# Altium PCB DM1098OAKW.PcbDoc (part 4 of 5)
Units mm, origin at the board's own origin, x right, y up, seen from the top; angles counter-clockwise.
Board outline 98.3 x 35 mm, 6 copper layers (Top Copper, Signal Layer 1, Signal Layer 2, Signal Layer 3, Signal Layer 4, Bottom Copper), stack 1.597 mm thick; 204 components, 159 nets, 836 pads, 621 vias.
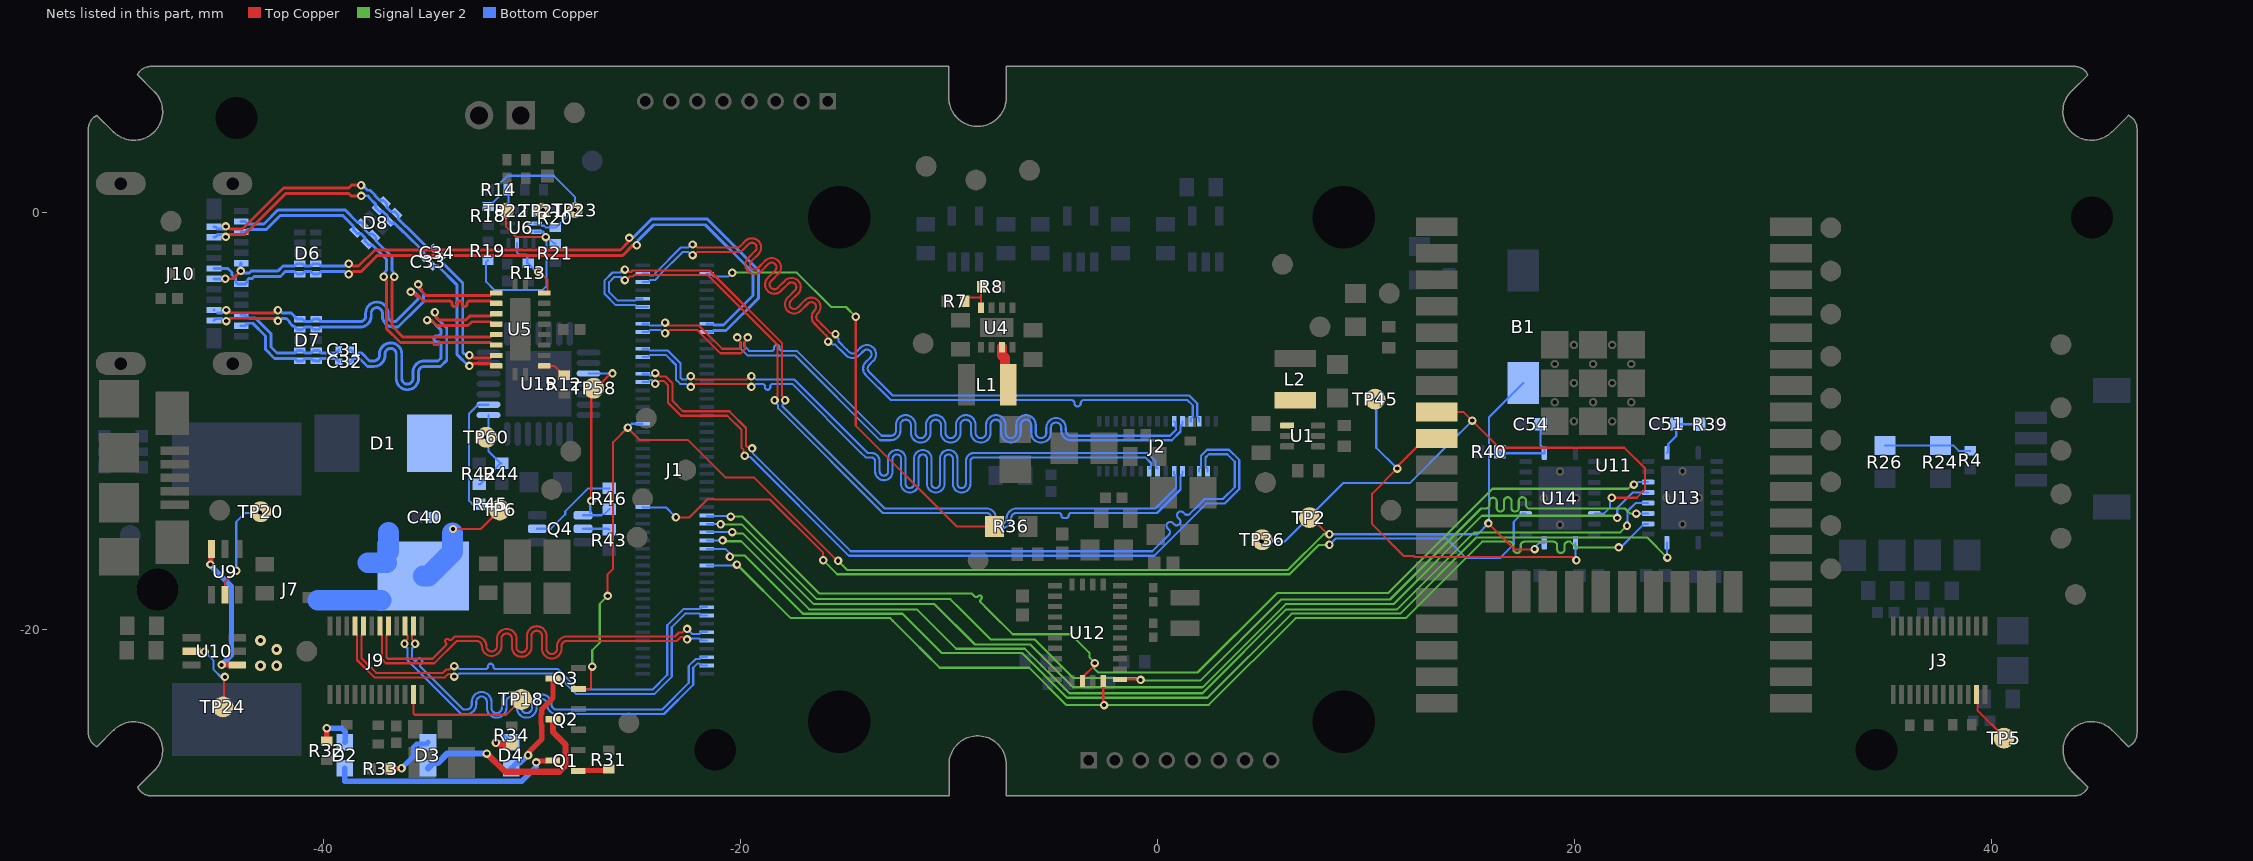
[diagram p8: the nets of this part, all layers, seen from the top]

## Via types
v1: diameter 0.406, hole 0.203, Top Copper to Bottom Copper, tented both sides, 471 vias
v2: diameter 0.508, hole 0.254, Top Copper to Bottom Copper, tented both sides, 132 vias
v3: diameter 0.508, hole 0.254, Top Copper to Bottom Copper, 16 vias
v4: diameter 0.406, hole 0.203, Top Copper to Bottom Copper, tented bottom, 2 vias

## Nets (pads, with @x,y where several pads share a name; then routed paths per layer and width w, separated by ;. In a path a pad name is that pad's centre, name@x,y a point inside that pad or via, vN(x,y) a via of type N, cw(c..) or ccw(c..) an arc to the next point about the centre after c; other vN are vias at no path point) (continued)
MIPI_RX3_C_N: J1.96 J9.11 | length 22.4
  Top Copper w0.102: J9.11@-35.7,-19.86 -35.764,-19.924 -35.764,-20.327 -35.766,-20.329 -35.766,-20.492 -35.621,-20.637 v1(-35.621,-20.704)
  Bottom Copper w0.102: v1(-35.621,-20.704) -35.621,-20.786 -35.766,-20.932 -35.766,-21.345 -35.766,-21.404 -35.677,-21.493 ccw(c-35.605,-21.421) -35.532,-21.493 -35.485,-21.445 cw(c-35.412,-21.518) -35.34,-21.445 -35.304,-21.481 cw(c-35.376,-21.554) -35.304,-21.626 -35.352,-21.674 ccw(c-35.279,-21.746) -35.352,-21.818 -35.135,-22.035 -33.31,-23.86 -33.151,-23.86 ccw(c-33.151,-23.608) -32.898,-23.608 -32.898,-23.489 cw(c-32.429,-23.489) -31.961,-23.489 -31.961,-23.782 ccw(c-31.708,-23.782) -31.455,-23.782 -31.455,-23.489 cw(c-30.986,-23.489) -30.518,-23.489 -30.518,-23.782 ccw(c-30.265,-23.782) -30.012,-23.782 -30.012,-23.605 cw(c-29.543,-23.605) -29.075,-23.605 -29.075,-23.608 ccw(c-28.822,-23.608) -28.822,-23.86 -27.9,-23.86 -23.764,-23.86 -22.488,-22.585 -22.488,-21.766 -22.164,-21.442 -21.972,-21.442 -21.88,-21.35 J1.96@-21.62,-21.35
MIPI_RX3_C_P: J1.98 J9.10 | length 22.4
  Top Copper w0.102: v1(-36.127,-20.704) -36.127,-20.637 -35.982,-20.492 -35.982,-20.323 -36.1,-20.205 J9.10@-36.1,-19.86
  Bottom Copper w0.102: v1(-36.127,-20.704) -36.127,-20.786 -35.982,-20.932 -35.982,-21.493 -33.399,-24.076 -33.31,-24.076 -33.151,-24.076 ccw(c-33.151,-23.608) -32.682,-23.608 -32.682,-23.489 cw(c-32.429,-23.489) -32.176,-23.489 -32.176,-23.782 ccw(c-31.708,-23.782) -31.239,-23.782 -31.239,-23.489 cw(c-30.986,-23.489) -30.733,-23.489 -30.733,-23.782 ccw(c-30.265,-23.782) -29.796,-23.782 -29.796,-23.605 cw(c-29.543,-23.605) -29.29,-23.605 -29.29,-23.608 ccw(c-28.822,-23.608) -28.822,-24.076 -27.9,-24.076 -23.675,-24.076 -22.272,-22.674 -22.272,-21.856 -22.075,-21.658 -21.972,-21.658 -21.88,-21.75 J1.98@-21.62,-21.75
MIPI_RX3_D0_N: J1.90 J9.8 | length 22.4
  Top Copper w0.102: J9.8@-36.9,-19.86 -36.9,-20.205 -36.992,-20.297 -36.992,-21.363 -36.933,-21.423 -34.783,-21.423 -34.28,-20.92 -34.152,-20.792 ccw(c-34.225,-20.719) -34.152,-20.647 ; -34.153,-20.646 cw(c-34.08,-20.573) -34.153,-20.501 cw(c-34.08,-20.573) -34.007,-20.501 ; -34.007,-20.501 ccw(c-33.934,-20.429) -33.861,-20.501 -33.716,-20.355 -33.645,-20.355 -33.2,-20.355 -32.668,-20.355 cw(c-32.668,-20.824) -32.2,-20.824 ccw(c-31.947,-20.824) -31.947,-21.077 ccw(c-31.947,-20.824) -31.694,-20.824 -31.694,-20.463 cw(c-31.225,-20.463) -31.225,-19.995 cw(c-31.225,-20.463) -30.757,-20.463 -30.757,-20.863 ccw(c-30.504,-20.863) -30.504,-21.116 ccw(c-30.504,-20.863) -30.251,-20.863 -30.251,-20.333 cw(c-29.782,-20.333) -29.782,-19.864 cw(c-29.782,-20.333) -29.314,-20.333 -29.314,-20.943 ccw(c-29.061,-20.943) -29.061,-21.195 ccw(c-29.061,-20.943) -28.808,-20.943 -28.808,-20.824 cw(c-28.339,-20.824) -28.339,-20.355 -28.181,-20.355 -23.148,-20.355 -22.955,-20.162 -22.806,-20.162 -22.636,-19.992 v1(-22.57,-19.992)
  Bottom Copper w0.102: v1(-22.57,-19.992) -22.561,-19.992 -22.314,-20.239 -22.184,-20.239 -22.181,-20.242 -21.972,-20.242 -21.88,-20.15 J1.90@-21.62,-20.15
MIPI_RX3_D0_P: J1.92 J9.7 | length 22.4
  Top Copper w0.102: J9.7@-37.3,-19.86 -37.3,-20.205 -37.208,-20.297 -37.208,-21.453 -37.022,-21.639 -34.694,-21.639 -33.626,-20.571 -33.2,-20.571 -32.668,-20.571 cw(c-32.668,-20.824) -32.416,-20.824 ccw(c-31.947,-20.824) -31.947,-21.293 ccw(c-31.947,-20.824) -31.478,-20.824 -31.478,-20.463 cw(c-31.225,-20.463) -31.225,-20.211 cw(c-31.225,-20.463) -30.973,-20.463 -30.973,-20.863 ccw(c-30.504,-20.863) -30.504,-21.332 ccw(c-30.504,-20.863) -30.035,-20.863 -30.035,-20.333 cw(c-29.782,-20.333) -29.782,-20.08 cw(c-29.782,-20.333) -29.53,-20.333 -29.53,-20.943 ccw(c-29.061,-20.943) -29.061,-21.411 ccw(c-29.061,-20.943) -28.592,-20.943 -28.592,-20.824 cw(c-28.339,-20.824) -28.339,-20.571 -28.181,-20.571 -23.059,-20.571 -22.866,-20.378 -22.773,-20.378 -22.652,-20.499 v1(-22.57,-20.499)
  Bottom Copper w0.102: v1(-22.57,-20.499) -22.526,-20.455 -22.273,-20.455 -22.271,-20.458 -21.972,-20.458 -21.88,-20.55 J1.92@-21.62,-20.55
MIPI_RX3_D1_N: J1.84 J9.5 | length 22.4
  Top Copper w0.102: J9.5@-38.1,-19.86 -38.1,-20.205 -38.192,-20.297 -38.192,-21.398 -37.486,-22.104 -34.281,-22.104 -34.121,-21.944 -33.972,-21.944 -33.802,-21.774 v1(-33.735,-21.774)
  Bottom Copper w0.102: v1(-33.735,-21.774) -33.653,-21.774 -33.507,-21.919 -32.3,-21.919 -32.249,-21.919 ccw(c-32.249,-21.791) -32.121,-21.791 cw(c-31.994,-21.791) -31.866,-21.791 ccw(c-31.738,-21.791) -31.738,-21.919 -31.3,-21.919 -28.775,-21.919 -27.789,-22.906 -24.231,-22.906 -23.518,-22.193 -23.518,-19.816 -22.745,-19.042 -21.972,-19.042 -21.88,-18.95 J1.84@-21.62,-18.95
MIPI_RX3_D1_P: J1.86 J9.4 | length 22.4
  Top Copper w0.102: J9.4@-38.5,-19.86 -38.5,-20.205 -38.408,-20.297 -38.408,-21.488 -37.576,-22.32 -34.192,-22.32 -34.031,-22.16 -33.938,-22.16 -33.818,-22.28 v1(-33.735,-22.28)
  Bottom Copper w0.102: v1(-33.735,-22.28) -33.653,-22.28 -33.507,-22.135 -28.865,-22.135 -27.879,-23.121 -24.142,-23.121 -23.303,-22.282 -23.303,-19.905 -22.655,-19.258 -21.972,-19.258 -21.88,-19.35 J1.86@-21.62,-19.35
MIPI_RX4_C_N: J1.3 J2.28 | length 39.1
  Top Copper w0.102: v1(-22.304,-1.549) -22.232,-1.549 -22.087,-1.694 -20.394,-1.694 -20.179,-1.694 ccw(c-20.179,-1.466) -20.018,-1.628 ; -20.018,-1.627 -19.772,-1.381 cw(c-19.457,-1.694) -19.144,-1.38 cw(c-19.457,-1.694) -19.144,-2.008 -19.492,-2.356 ccw(c-19.331,-2.517) -19.492,-2.678 ccw(c-19.331,-2.517) -19.17,-2.678 -18.822,-2.331 cw(c-18.508,-2.644) -18.194,-2.33 cw(c-18.508,-2.644) -18.195,-2.958 -18.542,-3.305 ccw(c-18.381,-3.467) -18.543,-3.628 ; -18.542,-3.628 ccw(c-18.381,-3.467) -18.22,-3.628 ; -18.22,-3.628 -17.872,-3.28 cw(c-17.558,-3.593) -17.244,-3.28 cw(c-17.558,-3.593) -17.245,-3.908 -17.592,-4.255 ; -17.593,-4.577 cw(c-17.432,-4.417) -17.593,-4.256 ; -17.592,-4.578 ccw(c-17.432,-4.417) -17.271,-4.578 ; -17.27,-4.577 -16.923,-4.23 cw(c-16.609,-4.543) -16.295,-4.229 cw(c-16.609,-4.543) -16.295,-4.857 -16.305,-4.867 ; -16.306,-5.189 cw(c-16.144,-5.028) -16.305,-4.867 ; -16.305,-5.19 -16.047,-5.447 -16.047,-5.453 -15.9,-5.6 -15.7,-5.8 -15.494,-5.8 v1(-15.447,-5.847)
  Bottom Copper w0.102: J1.3@-24.7,-2.95 -24.44,-2.95 -24.348,-3.042 -24.198,-3.042 -24.077,-2.921 -24.077,-2.897 -22.874,-1.694 -22.516,-1.694 -22.37,-1.549 v1(-22.304,-1.549) ; v1(-15.447,-5.847) -15.447,-5.93 -15.3,-6.077 -15.3,-6.2 -14.9,-6.6 -14.788,-6.712 ; -14.787,-6.713 ccw(c-14.627,-6.551) -14.466,-6.712 -14.257,-6.504 cw(c-13.943,-6.817) -13.629,-6.504 cw(c-13.943,-6.817) -13.63,-7.132 -13.838,-7.339 ccw(c-13.677,-7.501) -13.838,-7.662 -12.707,-8.793 -12.2,-8.793 1.523,-8.793 1.908,-9.177 1.908,-9.806 2,-9.898 J2.28@2,-10.038
MIPI_RX4_C_P: J1.5 J2.27 | length 39
  Top Copper w0.102: v1@-22.232,-2.055 -22.087,-1.91 -20.61,-1.91 -20.179,-1.91 ccw(c-20.179,-1.466) -19.865,-1.78 -19.619,-1.534 ; -19.619,-1.533 cw(c-19.457,-1.694) -19.297,-1.533 ; -19.296,-1.534 cw(c-19.457,-1.694) -19.296,-1.855 -19.644,-2.203 ccw(c-19.331,-2.517) -19.645,-2.831 ccw(c-19.331,-2.517) -19.017,-2.831 -18.669,-2.483 cw(c-18.508,-2.644) -18.347,-2.482 ; -18.347,-2.805 -18.695,-3.153 ccw(c-18.381,-3.467) -18.695,-3.781 ccw(c-18.381,-3.467) -18.067,-3.78 -17.72,-3.433 ; -18.347,-2.805 ccw(c-18.508,-2.644) -18.346,-2.483 ; -17.719,-3.432 cw(c-17.558,-3.593) -17.398,-3.432 ; -17.398,-3.755 -17.745,-4.102 ccw(c-17.432,-4.417) -17.745,-4.73 ccw(c-17.432,-4.417) -17.117,-4.73 -16.77,-4.383 ; -17.397,-3.755 ccw(c-17.558,-3.593) -17.397,-3.433 ; -16.77,-4.382 cw(c-16.609,-4.543) -16.448,-4.382 ; -16.448,-4.705 -16.457,-4.714 ccw(c-16.144,-5.028) -16.457,-5.343 -16.263,-5.537 -16.263,-5.542 -16.053,-5.753 -15.853,-5.953 -15.853,-6.158 v1(-15.805,-6.205) ; -16.447,-4.704 ccw(c-16.609,-4.543) -16.447,-4.383
  Bottom Copper w0.102: J1.5@-24.7,-3.35 -24.44,-3.35 -24.348,-3.258 -24.108,-3.258 -23.85,-3 -23.85,-2.975 -22.785,-1.91 -22.516,-1.91 -22.37,-2.055 v1(-22.304,-2.055) ; v1(-15.805,-6.205) -15.723,-6.205 -15.576,-6.353 -15.453,-6.353 -15.053,-6.753 -14.941,-6.864 ccw(c-14.627,-6.551) -14.312,-6.864 -14.105,-6.657 ; -14.104,-6.656 cw(c-13.943,-6.817) -13.783,-6.656 ; -13.782,-6.657 cw(c-13.943,-6.817) -13.782,-6.978 -13.99,-7.187 ccw(c-13.677,-7.501) -13.99,-7.815 -12.797,-9.009 -12.416,-9.009 -4.496,-9.009 -4.139,-9.009 cw(c-4.139,-9.161) -3.986,-9.161 -3.986,-9.166 ccw(c-3.834,-9.166) -3.834,-9.319 ccw(c-3.834,-9.166) -3.681,-9.166 -3.681,-9.161 cw(c-3.528,-9.161) -3.528,-9.009 -1.9,-9.009 1.434,-9.009 1.692,-9.267 1.692,-9.806 1.6,-9.898 J2.27@1.6,-10.038
MIPI_RX4_D0_N: J1.9 J2.5 | length 39.1
  Top Copper w0.102: v1(-25.553,-3.257) -25.487,-3.257 -25.317,-3.087 -25.168,-3.087 -25.097,-3.016 -21.584,-3.016 -18.227,-6.373 -18.227,-8.815 -18.372,-8.96 v1(-18.372,-9.027)
  Bottom Copper w0.102: v1(-25.553,-3.257) -25.62,-3.257 -25.765,-3.112 -26.061,-3.112 -26.311,-3.362 -26.311,-3.834 -25.903,-4.242 -25.052,-4.242 -24.96,-4.15 J1.9@-24.7,-4.15 ; v1(-18.372,-9.027) -18.372,-9.094 -18.202,-9.264 -18.202,-9.412 -13.18,-14.434 -9,-14.434 -8.211,-14.434 cw(c-8.211,-14.687) -7.958,-14.687 -7.958,-14.694 ccw(c-7.489,-14.694) -7.489,-15.163 ccw(c-7.489,-14.694) -7.021,-14.694 -7.021,-14.687 cw(c-6.768,-14.687) -6.768,-14.434 -6.609,-14.434 -5.7,-14.434 -4.72,-14.434 cw(c-4.72,-14.541) -4.613,-14.541 -4.613,-14.561 ccw(c-4.506,-14.561) -4.506,-14.667 -4.364,-14.667 ccw(c-4.364,-14.561) -4.257,-14.561 -4.257,-14.541 cw(c-4.151,-14.541) -4.151,-14.434 -4.1,-14.434 -0.02,-14.434 1.108,-13.306 1.108,-12.67 1.2,-12.578 J2.5@1.2,-12.438
MIPI_RX4_D0_P: J1.11 J2.6 | length 39.4
  Top Copper w0.102: v1(-25.553,-2.751) -25.471,-2.751 -25.35,-2.871 -25.257,-2.871 -25.186,-2.8 -21.495,-2.8 -18.011,-6.284 -18.011,-8.815 -17.866,-8.96 v1(-17.866,-9.027)
  Bottom Copper w0.102: v1(-25.553,-2.751) -25.62,-2.751 -25.765,-2.896 -26.151,-2.896 -26.527,-3.272 -26.527,-3.923 -25.993,-4.458 -25.052,-4.458 -24.96,-4.55 J1.11@-24.7,-4.55 J1.11@-24.44,-4.55 ; v1(-17.866,-9.027) -17.866,-9.109 -17.986,-9.23 -17.986,-9.323 -13.091,-14.218 -9,-14.218 -8.211,-14.218 cw(c-8.211,-14.687) -7.742,-14.687 -7.742,-14.694 ccw(c-7.489,-14.694) -7.489,-14.947 ccw(c-7.489,-14.694) -7.237,-14.694 -7.237,-14.687 cw(c-6.768,-14.687) -6.768,-14.218 -6.609,-14.218 -0.11,-14.218 0.892,-13.216 0.892,-12.67 0.8,-12.578 J2.6@0.8,-12.438
MIPI_RX4_D1_N: J1.15 J2.26 | length 39.1
  Top Copper w0.102: v1(-23.626,-5.297) -23.559,-5.297 -23.414,-5.442 -21.994,-5.442 -20.884,-6.552 -20.083,-6.552 -20.017,-6.487 -20.017,-6.22 -20.163,-6.074 v1(-20.163,-6.008)
  Bottom Copper w0.102: J1.15@-24.7,-5.35 -24.44,-5.35 -24.348,-5.442 -23.838,-5.442 -23.693,-5.297 v1(-23.626,-5.297) ; v1(-20.163,-6.008) -20.163,-6.074 -20.017,-6.22 -20.017,-6.53 -19.677,-6.87 -17.392,-6.87 -13.32,-10.942 -12.961,-10.942 -12.803,-10.942 ccw(c-12.803,-10.473) -12.334,-10.473 -12.334,-10.207 cw(c-12.081,-10.207) -12.081,-9.954 cw(c-12.081,-10.207) -11.828,-10.207 -11.828,-10.585 ccw(c-11.36,-10.585) -11.36,-11.054 ccw(c-11.36,-10.585) -10.891,-10.585 -10.891,-10.207 cw(c-10.638,-10.207) -10.638,-9.954 cw(c-10.638,-10.207) -10.385,-10.207 -10.385,-10.585 ccw(c-9.917,-10.585) -9.917,-11.054 ccw(c-9.917,-10.585) -9.448,-10.585 -9.448,-10.207 cw(c-9.195,-10.207) -9.195,-9.954 cw(c-9.195,-10.207) -8.942,-10.207 -8.942,-10.585 ccw(c-8.474,-10.585) -8.474,-11.054 ccw(c-8.474,-10.585) -8.005,-10.585 -8.005,-10.207 cw(c-7.752,-10.207) -7.752,-9.954 cw(c-7.752,-10.207) -7.499,-10.207 -7.499,-10.585 ccw(c-7.031,-10.585) -7.031,-11.054 ccw(c-7.031,-10.585) -6.562,-10.585 -6.562,-10.207 cw(c-6.309,-10.207) -6.309,-9.954 cw(c-6.309,-10.207) -6.056,-10.207 -6.056,-10.585 ccw(c-5.588,-10.585) -5.588,-11.054 ccw(c-5.588,-10.585) -5.119,-10.585 -5.119,-10.345 cw(c-4.866,-10.345) -4.866,-10.093 cw(c-4.866,-10.345) -4.613,-10.345 -4.613,-10.473 ccw(c-4.145,-10.473) -4.145,-10.942 -3.461,-10.942 0.689,-10.942 1.108,-10.523 1.108,-10.27 1.2,-10.178 J2.26@1.2,-10.038
MIPI_RX4_D1_P: J1.17 J2.25 | length 39.1
  Top Copper w0.102: v1(-23.626,-5.803) -23.559,-5.803 -23.414,-5.658 -22.084,-5.658 -20.974,-6.768 -19.993,-6.768 -19.801,-6.576 -19.801,-6.22 -19.656,-6.074 v1(-19.656,-6.008)
  Bottom Copper w0.102: J1.17@-24.7,-5.75 -24.44,-5.75 -24.348,-5.658 -23.838,-5.658 -23.693,-5.803 v1(-23.626,-5.803) ; v1(-19.656,-6.008) -19.656,-6.074 -19.801,-6.22 -19.801,-6.44 -19.587,-6.654 -19.244,-6.654 -18.518,-6.654 ccw(c-18.518,-6.527) -18.39,-6.527 -18.39,-6.496 cw(c-18.262,-6.496) -18.134,-6.496 -18.134,-6.527 ccw(c-18.006,-6.527) -18.006,-6.654 -17.7,-6.654 -17.302,-6.654 -13.23,-10.726 -12.961,-10.726 -12.803,-10.726 ccw(c-12.803,-10.473) -12.55,-10.473 -12.55,-10.207 cw(c-12.081,-10.207) -12.081,-9.738 cw(c-12.081,-10.207) -11.613,-10.207 -11.613,-10.585 ccw(c-11.36,-10.585) -11.36,-10.838 ccw(c-11.36,-10.585) -11.107,-10.585 -11.107,-10.207 cw(c-10.638,-10.207) -10.638,-9.738 cw(c-10.638,-10.207) -10.17,-10.207 -10.17,-10.585 ccw(c-9.917,-10.585) -9.917,-10.838 ccw(c-9.917,-10.585) -9.664,-10.585 -9.664,-10.207 cw(c-9.195,-10.207) -9.195,-9.738 cw(c-9.195,-10.207) -8.727,-10.207 -8.727,-10.585 ccw(c-8.474,-10.585) -8.474,-10.838 ccw(c-8.474,-10.585) -8.221,-10.585 -8.221,-10.207 cw(c-7.752,-10.207) -7.752,-9.738 cw(c-7.752,-10.207) -7.284,-10.207 -7.284,-10.585 ccw(c-7.031,-10.585) -7.031,-10.838 ccw(c-7.031,-10.585) -6.778,-10.585 -6.778,-10.207 cw(c-6.309,-10.207) -6.309,-9.738 cw(c-6.309,-10.207) -5.841,-10.207 -5.841,-10.585 ccw(c-5.588,-10.585) -5.588,-10.838 ccw(c-5.588,-10.585) -5.335,-10.585 -5.335,-10.345 cw(c-4.866,-10.345) -4.866,-9.877 cw(c-4.866,-10.345) -4.398,-10.345 -4.398,-10.473 ccw(c-4.145,-10.473) -4.145,-10.726 -3.461,-10.726 0.599,-10.726 0.892,-10.434 0.892,-10.349 0.859,-10.317 0.859,-10.097 J2.25@0.8,-10.038
MIPI_RX5_D0_N: J1.21 J2.8 | length 38.9
  Top Copper w0.102: v1(-22.397,-7.874) -22.315,-7.874 -22.169,-8.019 -19.693,-8.019 -19.547,-7.874 v1(-19.481,-7.874)
  Bottom Copper w0.102: J1.21@-24.7,-6.55 -24.44,-6.55 -24.348,-6.642 -24.148,-6.642 -24.136,-6.63 -23.664,-6.63 -23.652,-6.642 -23.483,-6.642 -22.884,-7.241 -22.884,-7.942 -22.807,-8.019 -22.609,-8.019 -22.464,-7.874 v1(-22.397,-7.874) ; v1(-19.481,-7.874) -19.414,-7.874 -19.269,-8.019 -17.44,-8.019 -14.104,-11.355 -13.914,-11.544 -13.748,-11.544 cw(c-13.748,-11.963) -13.329,-11.963 -13.329,-12.441 ccw(c-13.126,-12.441) -13.126,-12.644 ccw(c-13.126,-12.441) -12.924,-12.441 -12.924,-11.825 cw(c-12.505,-11.825) -12.505,-11.406 cw(c-12.505,-11.825) -12.086,-11.825 -12.086,-13.034 ccw(c-11.883,-13.034) -11.883,-13.237 ccw(c-11.883,-13.034) -11.681,-13.034 -11.681,-11.825 cw(c-11.262,-11.825) -11.262,-11.406 cw(c-11.262,-11.825) -10.843,-11.825 -10.843,-13.034 ccw(c-10.64,-13.034) -10.64,-13.237 ccw(c-10.64,-13.034) -10.438,-13.034 -10.438,-11.825 cw(c-10.019,-11.825) -10.019,-11.406 cw(c-10.019,-11.825) -9.6,-11.825 -9.6,-13.034 ccw(c-9.397,-13.034) -9.397,-13.237 ccw(c-9.397,-13.034) -9.195,-13.034 -9.195,-11.963 cw(c-8.776,-11.963) -8.776,-11.544 -8.617,-11.544 -0.494,-11.544 -0.092,-11.946 -0.092,-12.206 J2.8@0,-12.298
MIPI_RX5_D0_P: J1.23 J2.9 | length 38.9
  Top Copper w0.102: v1(-22.397,-8.38) -22.315,-8.38 -22.169,-8.235 -19.693,-8.235 -19.547,-8.38 v1(-19.481,-8.38)
  Bottom Copper w0.102: J1.23@-24.7,-6.95 -24.44,-6.95 -24.348,-6.858 -24.059,-6.858 -24.047,-6.846 -23.753,-6.846 -23.741,-6.858 -23.573,-6.858 -23.1,-7.331 -23.1,-8.031 -22.897,-8.235 -22.609,-8.235 -22.464,-8.38 v1(-22.397,-8.38) ; v1(-19.481,-8.38) -19.414,-8.38 -19.269,-8.235 -18.962,-8.235 cw(c-18.962,-8.363) -18.835,-8.363 -18.835,-8.396 ccw(c-18.707,-8.396) -18.579,-8.396 -18.579,-8.363 cw(c-18.451,-8.363) -18.451,-8.235 -17.865,-8.235 -17.529,-8.235 -14.229,-11.535 -14.004,-11.76 -13.748,-11.76 cw(c-13.748,-11.963) -13.545,-11.963 -13.545,-12.441 ccw(c-13.126,-12.441) -13.126,-12.86 ccw(c-13.126,-12.441) -12.708,-12.441 -12.708,-11.825 cw(c-12.505,-11.825) -12.505,-11.622 cw(c-12.505,-11.825) -12.302,-11.825 -12.302,-13.034 ccw(c-11.883,-13.034) -11.883,-13.453 ccw(c-11.883,-13.034) -11.465,-13.034 -11.465,-11.825 cw(c-11.262,-11.825) -11.262,-11.622 cw(c-11.262,-11.825) -11.059,-11.825 -11.059,-13.034 ccw(c-10.64,-13.034) -10.64,-13.453 ccw(c-10.64,-13.034) -10.222,-13.034 -10.222,-11.825 cw(c-10.019,-11.825) -10.019,-11.622 cw(c-10.019,-11.825) -9.816,-11.825 -9.816,-13.034 ccw(c-9.397,-13.034) -9.397,-13.453 ccw(c-9.397,-13.034) -8.979,-13.034 -8.979,-11.963 cw(c-8.776,-11.963) -8.776,-11.76 -8.617,-11.76 -0.583,-11.76 -0.308,-12.036 -0.308,-12.206 J2.9@-0.4,-12.298
MIPI_RX5_D1_N: J1.27 J2.2 | length 39.1
  Top Copper w0.102: v1(-24.091,-7.721) -24.04,-7.721 -23.887,-7.873 -23.602,-7.873 -23.27,-8.205 -23.27,-9.048 -22.77,-9.549 -20.548,-9.549 -19.743,-10.354 -19.743,-11.207 -19.677,-11.273 -19.506,-11.273 v1(-19.448,-11.332)
  Bottom Copper w0.102: J1.27@-24.7,-7.75 -24.44,-7.75 -24.348,-7.842 -24.295,-7.842 -24.174,-7.721 v1(-24.091,-7.721) ; v1(-19.448,-11.332) -19.401,-11.379 -19.401,-11.584 -14.72,-16.265 -0.243,-16.265 0.511,-15.511 0.547,-15.475 ccw(c0.422,-15.35) 0.547,-15.224 0.488,-15.164 cw(c0.613,-15.039) 0.488,-14.913 cw(c0.613,-15.039) 0.739,-14.913 0.799,-14.972 ccw(c0.924,-14.847) 1.05,-14.972 ccw(c0.924,-14.847) 1.05,-14.721 0.99,-14.661 cw(c1.116,-14.536) 0.99,-14.41 cw(c1.116,-14.536) 1.242,-14.41 1.302,-14.47 ccw(c1.427,-14.344) 1.553,-14.47 1.899,-14.124 2.136,-13.886 2.263,-13.76 3.14,-13.76 3.708,-13.192 3.708,-11.973 3.346,-11.611 2.465,-11.611 2.308,-11.767 2.308,-12.206 2.4,-12.298 J2.2@2.4,-12.438
MIPI_RX5_D1_P: J1.29 J2.3 | length 39.1
  Top Copper w0.102: v1(-24.092,-8.235) -24.026,-8.235 -23.88,-8.089 -23.691,-8.089 -23.486,-8.294 -23.486,-9.138 -22.859,-9.765 -20.637,-9.765 -19.958,-10.443 -19.958,-11.297 -19.853,-11.402 -19.853,-11.643 v1(-19.806,-11.69)
  Bottom Copper w0.102: J1.29@-24.7,-8.15 -24.44,-8.15 -24.348,-8.058 -24.255,-8.058 -24.092,-8.22 v1(-24.092,-8.235) ; v1(-19.806,-11.69) -19.759,-11.737 -19.553,-11.737 -14.809,-16.481 -0.153,-16.481 2.289,-14.039 2.352,-13.976 3.23,-13.976 3.924,-13.281 3.924,-11.884 3.435,-11.395 2.375,-11.395 2.092,-11.678 2.092,-12.206 2,-12.298 J2.3@2,-12.438
MX_INT_1V8: J1.59 U14.4 | length 47.2
  Top Copper w0.102: v1(-23.105,-14.632) -23.092,-14.645 -22.472,-14.645 -21.609,-13.782 -18.599,-13.782 -16.04,-16.34 v1(-16.04,-16.701)
  Signal Layer 2 w0.102: v1(-16.04,-16.701) -15.371,-17.37 6.338,-17.37 7.75,-15.959 8.25,-15.959 v1(8.252,-15.96)
  Bottom Copper w0.102: J1.59@-24.7,-14.15 -24.68,-14.17 -23.567,-14.17 v1(-23.105,-14.632) ; v1(8.252,-15.96) 8.252,-15.959 8.556,-15.654 13.867,-15.654 14.799,-16.586 16.447,-16.586 17.094,-15.939 17.094,-14.855 17.483,-14.466 U14.4@17.663,-14.466
MX_INT_3V3: TP36.1 U11.8 U14.17 | length 27.9
  Top Copper w0.102: v1(5,-15.8) 5.022,-15.778 TP36.1@5.022,-15.715 ; U11.8@13.4,-9.59 14.69,-9.59 v1(15.1,-10) 16.4,-11.3 22.4,-11.3 23.4,-12.3 23.4,-13.3 23,-13.7 v1(21.8,-13.7)